# Altium PCB ESP32_Demo.PcbDoc (part 6 of 7)
Units mil, origin at the board's own origin, x right, y up, seen from the top; angles counter-clockwise.
Board outline 940.03 x 1085.03 mil, 4 copper layers (TOP1, GND02, MidLayer3, BOTTOM4); 39 components, 58 nets, 242 pads, 201 vias.
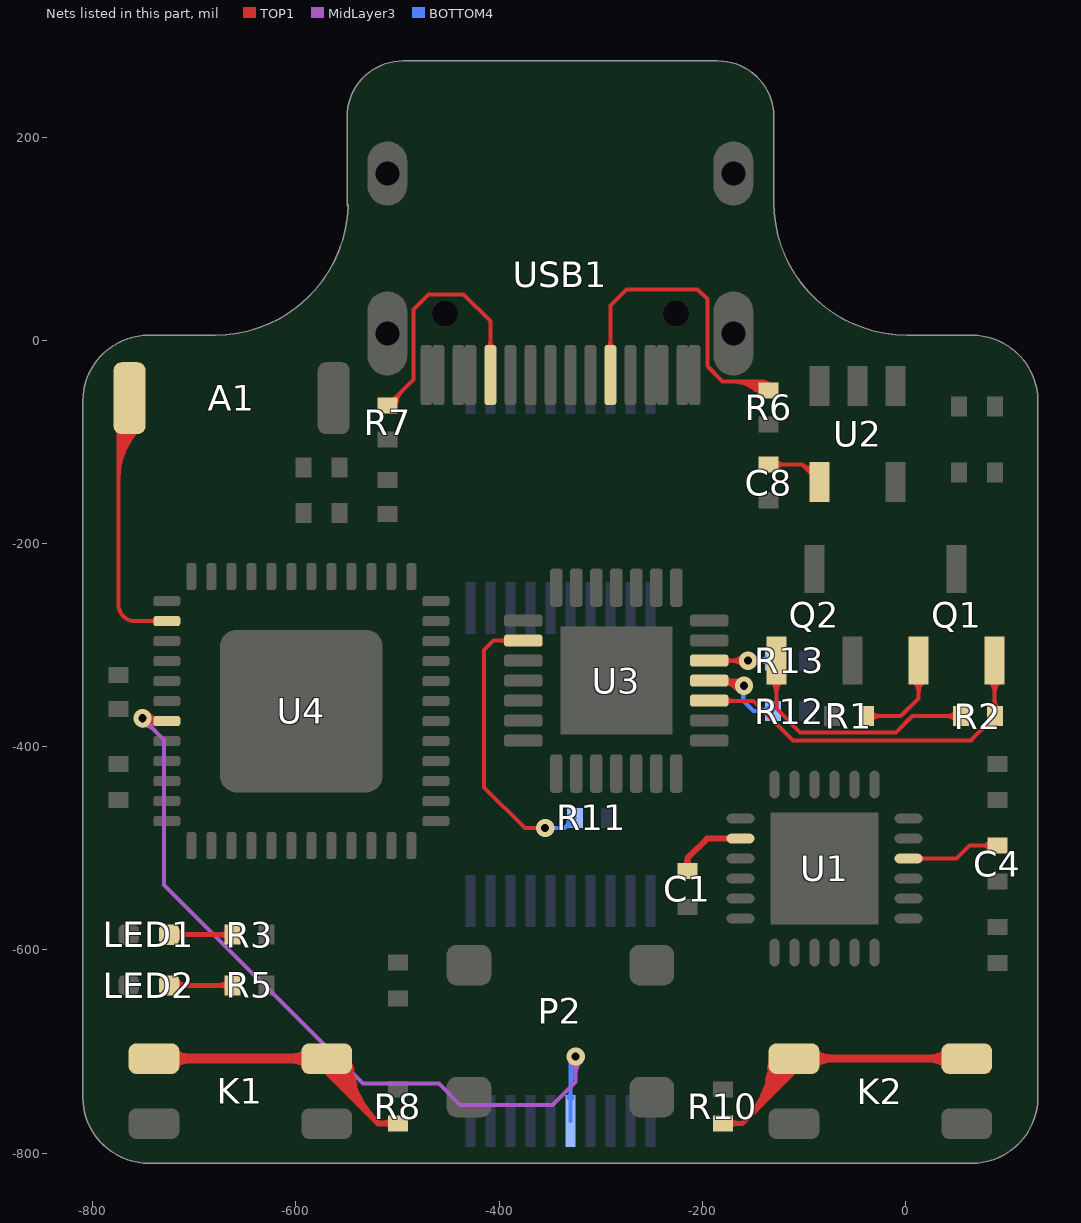
[diagram p8: the nets of this part, all layers, seen from the top]

## Via types
v1: diameter 18, hole 8, TOP1 to BOTTOM4, tented both sides, 201 vias

## Nets (pads, with @x,y where several pads share a name; then routed paths per layer and width w, separated by ;. In a path a pad name is that pad's centre, name@x,y a point inside that pad or via, vN(x,y) a via of type N, cw(c..) or ccw(c..) an arc to the next point about the centre after c; other vN are vias at no path point) (continued)
GPIO38: P2.5 U4.7 | length 1039.7
  TOP1 w4: v1(-751,-372) -748.16,-374.84 U4.7@-727.15,-374.84 ; v1@-748.88,-369.88 ccw(c-736.89,-357.89) U4.7@-736.89,-374.84 ; v1@-746.89,-377.67 cw(c-740.79,-386.07) -738.1,-376.04 cw(c-735.82,-367.51) v1@-744.29,-370.01 ; v1@-746.05,-376.95 cw(c-740.96,-382.04) -740.96,-374.84 ; v1@-746.05,-367.05 ccw(c-727.24,-348.24) U4.7@-727.24,-374.84 ; U4.7@-737.59,-376.91 ccw(c-742.57,-381.89) -742.57,-374.84 ccw(c-742.57,-367.79) U4.7@-737.59,-372.78
  MidLayer3 w4: v1@-751,-379 cw(c-751,-395.9) -739.05,-383.95 cw(c-727.1,-372) v1@-744,-372 ; v1(-751,-372) -729.77,-393.23 -729.77,-536.06 -534.15,-731.68 -459.41,-731.68 -438.41,-752.68 -347.45,-752.68 -324.77,-730 v1(-324.77,-705) ; v1@-329.72,-709.95 cw(c-341.67,-721.9) -324.77,-721.9 cw(c-307.87,-721.9) v1@-319.82,-709.95
  BOTTOM4 w4: P2.5@-329.93,-768.27 -329.93,-710.16 v1(-324.77,-705) ; -329.93,-734.35 cw(c-295.42,-734.35) v1@-319.82,-709.95 ; -329.93,-724.69 cw(c-305.08,-724.69) v1@-322.65,-707.12 ; -329.93,-715.04 cw(c-314.74,-715.04) v1@-325.48,-704.29 ; P2.5@-332,-745.53 ccw(c-336.98,-740.55) -329.93,-740.55 ; P2.5@-332,-745.53 ccw(c-336.98,-740.55) -329.93,-740.55 ; P2.5@-332,-745.53 ccw(c-336.98,-740.55) -329.93,-740.55 ; P2.5@-332,-745.53 ccw(c-336.98,-740.55) -329.93,-740.55 ; P2.5@-332,-745.53 ccw(c-336.98,-740.55) -329.93,-740.55 ; P2.5@-332,-745.53 ccw(c-336.98,-740.55) -329.93,-740.55 ; -329.93,-740.55 ccw(c-322.88,-740.55) P2.5@-327.86,-745.53 ; -329.93,-740.55 ccw(c-322.88,-740.55) P2.5@-327.86,-745.53 ; -329.93,-740.55 ccw(c-322.88,-740.55) P2.5@-327.86,-745.53 ; -329.93,-740.55 ccw(c-322.88,-740.55) P2.5@-327.86,-745.53 ; -329.93,-740.55 ccw(c-322.88,-740.55) P2.5@-327.86,-745.53 ; -329.93,-740.55 ccw(c-322.88,-740.55) P2.5@-327.86,-745.53
NetA1_1: A1.1 U4.2 | length 2591
  TOP1 w4: A1.1@-763.77,-57 ccw(c-763.77,-68) -774.77,-68 -774.77,-260 ccw(c-758.36,-260) -758.36,-276.42 U4.2@-727.15,-276.42 ; -774.77,-136.43 cw(c-704.03,-136.43) A1.1@-754.05,-86.41 ; -774.77,-136.43 cw(c-704.03,-136.43) A1.1@-754.05,-86.41 ; -774.77,-136.43 cw(c-704.03,-136.43) A1.1@-754.05,-86.41 ; -774.77,-136.43 cw(c-704.03,-136.43) A1.1@-754.05,-86.41 ; -774.77,-136.43 cw(c-704.03,-136.43) A1.1@-754.05,-86.41 ; -774.77,-136.43 cw(c-704.03,-136.43) A1.1@-754.05,-86.41 ; -774.77,-126.78 cw(c-713.68,-126.78) A1.1@-756.88,-83.58 ; -774.77,-126.78 cw(c-713.68,-126.78) A1.1@-756.88,-83.58 ; -774.77,-126.78 cw(c-713.68,-126.78) A1.1@-756.88,-83.58 ; -774.77,-126.78 cw(c-713.68,-126.78) A1.1@-756.88,-83.58 ; -774.77,-126.78 cw(c-713.68,-126.78) A1.1@-756.88,-83.58 ; -774.77,-126.78 cw(c-713.68,-126.78) A1.1@-756.88,-83.58 ; -774.77,-117.12 cw(c-723.34,-117.12) A1.1@-759.71,-80.75 ; -774.77,-117.12 cw(c-723.34,-117.12) A1.1@-759.71,-80.75 ; -774.77,-117.12 cw(c-723.34,-117.12) A1.1@-759.71,-80.75 ; -774.77,-117.12 cw(c-723.34,-117.12) A1.1@-759.71,-80.75 ; -774.77,-117.12 cw(c-723.34,-117.12) A1.1@-759.71,-80.75 ; -774.77,-117.12 cw(c-723.34,-117.12) A1.1@-759.71,-80.75 ; -774.77,-107.46 cw(c-733,-107.46) A1.1@-762.54,-77.92 ; -774.77,-107.46 cw(c-733,-107.46) A1.1@-762.54,-77.92 ; -774.77,-107.46 cw(c-733,-107.46) A1.1@-762.54,-77.92 ; -774.77,-107.46 cw(c-733,-107.46) A1.1@-762.54,-77.92 ; -774.77,-107.46 cw(c-733,-107.46) A1.1@-762.54,-77.92 ; -774.77,-107.46 cw(c-733,-107.46) A1.1@-762.54,-77.92 ; -774.77,-97.8 cw(c-742.65,-97.8) A1.1@-765.36,-75.09 ; -774.77,-97.8 cw(c-742.65,-97.8) A1.1@-765.36,-75.09 ; -774.77,-97.8 cw(c-742.65,-97.8) A1.1@-765.36,-75.09 ; -774.77,-97.8 cw(c-742.65,-97.8) A1.1@-765.36,-75.09 ; -774.77,-97.8 cw(c-742.65,-97.8) A1.1@-765.36,-75.09 ; -774.77,-97.8 cw(c-742.65,-97.8) A1.1@-765.36,-75.09 ; A1.1@-774.77,-88.15 cw(c-752.31,-88.15) A1.1@-768.19,-72.26 ; A1.1@-774.77,-88.15 cw(c-752.31,-88.15) A1.1@-768.19,-72.26 ; A1.1@-774.77,-88.15 cw(c-752.31,-88.15) A1.1@-768.19,-72.26 ; A1.1@-774.77,-88.15 cw(c-752.31,-88.15) A1.1@-768.19,-72.26 ; A1.1@-774.77,-88.15 cw(c-752.31,-88.15) A1.1@-768.19,-72.26 ; A1.1@-774.77,-88.15 cw(c-752.31,-88.15) A1.1@-768.19,-72.26 ; A1.1@-773.93,-85.95 cw(c-780.13,-91.61) -772.86,-95.8 ; A1.1@-773.93,-85.95 cw(c-780.13,-91.61) -772.86,-95.8 ; A1.1@-773.93,-85.95 cw(c-780.13,-91.61) -772.86,-95.8 ; A1.1@-773.93,-85.95 cw(c-780.13,-91.61) -772.86,-95.8 ; A1.1@-773.93,-85.95 cw(c-780.13,-91.61) -772.86,-95.8 ; A1.1@-773.93,-85.95 cw(c-780.13,-91.61) -772.86,-95.8 ; A1.1@-773.93,-85.95 cw(c-780.13,-91.61) -772.86,-95.8 ; A1.1@-773.93,-85.95 cw(c-780.13,-91.61) -772.86,-95.8 ; A1.1@-773.93,-85.95 cw(c-780.13,-91.61) -772.86,-95.8 ; A1.1@-773.93,-85.95 cw(c-780.13,-91.61) -772.86,-95.8 ; A1.1@-773.93,-85.95 cw(c-780.13,-91.61) -772.86,-95.8 ; A1.1@-773.93,-85.95 cw(c-780.13,-91.61) -772.86,-95.8 ; A1.1@-773.93,-85.95 cw(c-780.13,-91.61) -772.86,-95.8 ; A1.1@-773.93,-85.95 cw(c-780.13,-91.61) -772.86,-95.8 ; A1.1@-773.93,-85.95 cw(c-780.13,-91.61) -772.86,-95.8 ; A1.1@-773.39,-86.5 cw(c-781.75,-95.03) -771.41,-101.01 ; A1.1@-773.39,-86.5 cw(c-781.75,-95.03) -771.41,-101.01 ; A1.1@-773.39,-86.5 cw(c-781.75,-95.03) -771.41,-101.01 ; A1.1@-773.39,-86.5 cw(c-781.75,-95.03) -771.41,-101.01 ; A1.1@-773.39,-86.5 cw(c-781.75,-95.03) -771.41,-101.01 ; A1.1@-773.39,-86.5 cw(c-781.75,-95.03) -771.41,-101.01 ; A1.1@-773.39,-86.5 cw(c-781.75,-95.03) -771.41,-101.01 ; A1.1@-773.39,-86.5 cw(c-781.75,-95.03) -771.41,-101.01 ; A1.1@-773.39,-86.5 cw(c-781.75,-95.03) -771.41,-101.01 ; A1.1@-773.39,-86.5 cw(c-781.75,-95.03) -771.41,-101.01 ; A1.1@-773.39,-86.5 cw(c-781.75,-95.03) -771.41,-101.01 ; A1.1@-773.39,-86.5 cw(c-781.75,-95.03) -771.41,-101.01 ; A1.1@-773.39,-86.5 cw(c-781.75,-95.03) -771.41,-101.01 ; A1.1@-773.39,-86.5 cw(c-781.75,-95.03) -771.41,-101.01 ; A1.1@-773.39,-86.5 cw(c-781.75,-95.03) -771.41,-101.01 ; -772.86,-95.8 cw(c-763.56,-101.18) A1.1@-763.65,-90.43 ; -772.86,-95.8 cw(c-763.56,-101.18) A1.1@-763.65,-90.43 ; -772.86,-95.8 cw(c-763.56,-101.18) A1.1@-763.65,-90.43 ; -772.86,-95.8 cw(c-763.56,-101.18) A1.1@-763.65,-90.43 ; -772.86,-95.8 cw(c-763.56,-101.18) A1.1@-763.65,-90.43 ; -772.86,-95.8 cw(c-763.56,-101.18) A1.1@-763.65,-90.43 ; -772.86,-95.8 cw(c-763.56,-101.18) A1.1@-763.65,-90.43 ; -772.86,-95.8 cw(c-763.56,-101.18) A1.1@-763.65,-90.43 ; -772.86,-95.8 cw(c-763.56,-101.18) A1.1@-763.65,-90.43 ; -772.86,-95.8 cw(c-763.56,-101.18) A1.1@-763.65,-90.43 ; -772.86,-95.8 cw(c-763.56,-101.18) A1.1@-763.65,-90.43 ; -772.86,-95.8 cw(c-763.56,-101.18) A1.1@-763.65,-90.43 ; -772.86,-95.8 cw(c-763.56,-101.18) A1.1@-763.65,-90.43 ; -772.86,-95.8 cw(c-763.56,-101.18) A1.1@-763.65,-90.43 ; -772.86,-95.8 cw(c-763.56,-101.18) A1.1@-763.65,-90.43 ; A1.1@-770.59,-83.65 cw(c-778.03,-91.23) -768.83,-96.54 ; A1.1@-770.59,-83.65 cw(c-778.03,-91.23) -768.83,-96.54 ; A1.1@-770.59,-83.65 cw(c-778.03,-91.23) -768.83,-96.54 ; A1.1@-770.59,-83.65 cw(c-778.03,-91.23) -768.83,-96.54 ; A1.1@-770.59,-83.65 cw(c-778.03,-91.23) -768.83,-96.54 ; A1.1@-770.59,-83.65 cw(c-778.03,-91.23) -768.83,-96.54 ; A1.1@-770.59,-83.65 cw(c-778.03,-91.23) -768.83,-96.54 ; A1.1@-770.59,-83.65 cw(c-778.03,-91.23) -768.83,-96.54 ; A1.1@-770.59,-83.65 cw(c-778.03,-91.23) -768.83,-96.54 ; A1.1@-770.59,-83.65 cw(c-778.03,-91.23) -768.83,-96.54 ; A1.1@-770.59,-83.65 cw(c-778.03,-91.23) -768.83,-96.54 ; A1.1@-770.59,-83.65 cw(c-778.03,-91.23) -768.83,-96.54 ; A1.1@-770.59,-83.65 cw(c-778.03,-91.23) -768.83,-96.54 ; A1.1@-770.59,-83.65 cw(c-778.03,-91.23) -768.83,-96.54 ; A1.1@-770.59,-83.65 cw(c-778.03,-91.23) -768.83,-96.54 ; -768.86,-96.6 cw(c-756.54,-103.71) A1.1@-760.22,-89.97 ; -768.86,-96.6 cw(c-756.54,-103.71) A1.1@-760.22,-89.97 ; -768.86,-96.6 cw(c-756.54,-103.71) A1.1@-760.22,-89.97 ; -768.86,-96.6 cw(c-756.54,-103.71) A1.1@-760.22,-89.97 ; -768.86,-96.6 cw(c-756.54,-103.71) A1.1@-760.22,-89.97 ; -768.86,-96.6 cw(c-756.54,-103.71) A1.1@-760.22,-89.97 ; -768.86,-96.6 cw(c-756.54,-103.71) A1.1@-760.22,-89.97 ; -768.86,-96.6 cw(c-756.54,-103.71) A1.1@-760.22,-89.97 ; -768.86,-96.6 cw(c-756.54,-103.71) A1.1@-760.22,-89.97 ; -768.86,-96.6 cw(c-756.54,-103.71) A1.1@-760.22,-89.97 ; -768.86,-96.6 cw(c-756.54,-103.71) A1.1@-760.22,-89.97 ; -768.86,-96.6 cw(c-756.54,-103.71) A1.1@-760.22,-89.97 ; -768.86,-96.6 cw(c-756.54,-103.71) A1.1@-760.22,-89.97 ; -768.86,-96.6 cw(c-756.54,-103.71) A1.1@-760.22,-89.97 ; -768.86,-96.6 cw(c-756.54,-103.71) A1.1@-760.22,-89.97 ; -742.57,-276.42 cw(c-742.57,-283.47) U4.2@-737.59,-278.48 ; -742.57,-276.42 ccw(c-742.57,-269.36) U4.2@-737.59,-274.35 ; -742.57,-276.42 cw(c-742.57,-283.47) U4.2@-737.59,-278.48 ; -742.57,-276.42 ccw(c-742.57,-269.36) U4.2@-737.59,-274.35 ; -742.57,-276.42 cw(c-742.57,-283.47) U4.2@-737.59,-278.48 ; -742.57,-276.42 ccw(c-742.57,-269.36) U4.2@-737.59,-274.35 ; -742.57,-276.42 cw(c-742.57,-283.47) U4.2@-737.59,-278.48 ; -742.57,-276.42 ccw(c-742.57,-269.36) U4.2@-737.59,-274.35 ; -742.57,-276.42 cw(c-742.57,-283.47) U4.2@-737.59,-278.48 ; -742.57,-276.42 ccw(c-742.57,-269.36) U4.2@-737.59,-274.35 ; -742.57,-276.42 ccw(c-742.57,-269.36) U4.2@-737.59,-274.35 ; -742.57,-276.42 cw(c-742.57,-283.47) U4.2@-737.59,-278.48
NetC1_2: C1.2 U1.20 | length 183.6
  TOP1 w6: C1.2@-214.77,-522.29 -214.77,-510 -195.24,-490.47 U1.20@-162.45,-490.47 ; C1.2@-218.22,-518.84 ccw(c-226.54,-510.52) -214.77,-510.52 ; C1.2@-218.22,-518.84 ccw(c-226.54,-510.52) -214.77,-510.52 ; C1.2@-218.22,-518.84 ccw(c-226.54,-510.52) -214.77,-510.52 ; C1.2@-218.22,-518.84 ccw(c-226.54,-510.52) -214.77,-510.52 ; C1.2@-218.22,-518.84 ccw(c-226.54,-510.52) -214.77,-510.52 ; C1.2@-218.22,-518.84 ccw(c-226.54,-510.52) -214.77,-510.52 ; -214.77,-510.52 ccw(c-203,-510.52) C1.2@-211.32,-518.84 ; -214.77,-510.52 ccw(c-203,-510.52) C1.2@-211.32,-518.84 ; -214.77,-510.52 ccw(c-203,-510.52) C1.2@-211.32,-518.84 ; -214.77,-510.52 ccw(c-203,-510.52) C1.2@-211.32,-518.84 ; -214.77,-510.52 ccw(c-203,-510.52) C1.2@-211.32,-518.84 ; -214.77,-510.52 ccw(c-203,-510.52) C1.2@-211.32,-518.84
NetC4_1: C4.1 U1.10 | length 292.8
  TOP1 w4: U1.10@2.9,-510.16 50.07,-510.16 62.94,-497.28 C4.1@90.23,-497.28 ; U1.10@13.83,-512.22 cw(c18.82,-517.21) 18.82,-510.16 ; U1.10@13.83,-512.22 cw(c18.82,-517.21) 18.82,-510.16 ; U1.10@13.83,-512.22 cw(c18.82,-517.21) 18.82,-510.16 ; U1.10@13.83,-512.22 cw(c18.82,-517.21) 18.82,-510.16 ; U1.10@13.83,-512.22 cw(c18.82,-517.21) 18.82,-510.16 ; U1.10@13.83,-512.22 cw(c18.82,-517.21) 18.82,-510.16 ; U1.10@13.83,-508.09 ccw(c18.82,-503.11) 18.82,-510.16 ; U1.10@13.83,-508.09 ccw(c18.82,-503.11) 18.82,-510.16 ; U1.10@13.83,-508.09 ccw(c18.82,-503.11) 18.82,-510.16 ; U1.10@13.83,-508.09 ccw(c18.82,-503.11) 18.82,-510.16 ; U1.10@13.83,-508.09 ccw(c18.82,-503.11) 18.82,-510.16 ; U1.10@13.83,-508.09 ccw(c18.82,-503.11) 18.82,-510.16 ; 74.08,-497.28 cw(c74.08,-511.46) C4.1@84.11,-501.44 ; 74.08,-497.28 ccw(c74.08,-483.1) C4.1@84.11,-493.13 ; 74.08,-497.28 cw(c74.08,-511.46) C4.1@84.11,-501.44 ; 74.08,-497.28 ccw(c74.08,-483.1) C4.1@84.11,-493.13 ; 74.08,-497.28 cw(c74.08,-511.46) C4.1@84.11,-501.44 ; 74.08,-497.28 ccw(c74.08,-483.1) C4.1@84.11,-493.13 ; 74.08,-497.28 cw(c74.08,-511.46) C4.1@84.11,-501.44 ; 74.08,-497.28 ccw(c74.08,-483.1) C4.1@84.11,-493.13 ; 74.08,-497.28 cw(c74.08,-511.46) C4.1@84.11,-501.44 ; 74.08,-497.28 ccw(c74.08,-483.1) C4.1@84.11,-493.13 ; 74.08,-497.28 ccw(c74.08,-483.1) C4.1@84.11,-493.13 ; 74.08,-497.28 cw(c74.08,-511.46) C4.1@84.11,-501.44
NetC8_1: C8.1 U2.4 | length 419.6
  TOP1 w4: C8.1@-134.77,-122.28 -101.78,-122.28 ; U2.4@-84.58,-139.49 -101.78,-122.28 ; C8.1@-128.65,-126.44 cw(c-118.62,-136.46) -118.62,-122.28 ; C8.1@-128.65,-126.44 cw(c-118.62,-136.46) -118.62,-122.28 ; C8.1@-128.65,-126.44 cw(c-118.62,-136.46) -118.62,-122.28 ; C8.1@-128.65,-126.44 cw(c-118.62,-136.46) -118.62,-122.28 ; C8.1@-128.65,-126.44 cw(c-118.62,-136.46) -118.62,-122.28 ; C8.1@-128.65,-126.44 cw(c-118.62,-136.46) -118.62,-122.28 ; C8.1@-128.65,-118.13 ccw(c-118.62,-108.1) -118.62,-122.28 ; C8.1@-128.65,-118.13 ccw(c-118.62,-108.1) -118.62,-122.28 ; C8.1@-128.65,-118.13 ccw(c-118.62,-108.1) -118.62,-122.28 ; C8.1@-128.65,-118.13 ccw(c-118.62,-108.1) -118.62,-122.28 ; C8.1@-128.65,-118.13 ccw(c-118.62,-108.1) -118.62,-122.28 ; C8.1@-128.65,-118.13 ccw(c-118.62,-108.1) -118.62,-122.28 ; -101.78,-122.28 ccw(c-94.88,-115.39) U2.4@-89.17,-123.29 ; -101.78,-122.28 ccw(c-94.88,-115.39) U2.4@-89.17,-123.29 ; -101.78,-122.28 ccw(c-94.88,-115.39) U2.4@-89.17,-123.29 ; -101.78,-122.28 ccw(c-94.88,-115.39) U2.4@-89.17,-123.29 ; -101.78,-122.28 ccw(c-94.88,-115.39) U2.4@-89.17,-123.29 ; -101.78,-122.28 ccw(c-94.88,-115.39) U2.4@-89.17,-123.29 ; -98.46,-125.6 ccw(c-92.1,-119.24) U2.4@-86.83,-126.53 ; -98.46,-125.6 ccw(c-92.1,-119.24) U2.4@-86.83,-126.53 ; -98.46,-125.6 ccw(c-92.1,-119.24) U2.4@-86.83,-126.53 ; -98.46,-125.6 ccw(c-92.1,-119.24) U2.4@-86.83,-126.53 ; -98.46,-125.6 ccw(c-92.1,-119.24) U2.4@-86.83,-126.53 ; -98.46,-125.6 ccw(c-92.1,-119.24) U2.4@-86.83,-126.53 ; -95.14,-128.92 ccw(c-89.31,-123.09) U2.4@-84.48,-129.77 ; -95.14,-128.92 ccw(c-89.31,-123.09) U2.4@-84.48,-129.77 ; -95.14,-128.92 ccw(c-89.31,-123.09) U2.4@-84.48,-129.77 ; -95.14,-128.92 ccw(c-89.31,-123.09) U2.4@-84.48,-129.77 ; -95.14,-128.92 ccw(c-89.31,-123.09) U2.4@-84.48,-129.77 ; -95.14,-128.92 ccw(c-89.31,-123.09) U2.4@-84.48,-129.77
NetK1_2: K1.2 K1.4 R8.1 | length 4979.3
  TOP1 w6: K1.2@-569.77,-707 -569.77,-720 -519.02,-770.75 R8.1@-499.77,-770.75 ; K1.2@-571.77,-707 ccw(c-545.22,-707) -563.99,-725.78 ; K1.2@-571.77,-707 ccw(c-545.22,-707) -563.99,-725.78 ; K1.2@-571.77,-707 ccw(c-545.22,-707) -563.99,-725.78 ; K1.2@-571.77,-707 ccw(c-545.22,-707) -563.99,-725.78 ; K1.2@-571.77,-707 ccw(c-545.22,-707) -563.99,-725.78 ; K1.2@-571.77,-707 ccw(c-545.22,-707) -563.99,-725.78 ; K1.2@-565.77,-707 ccw(c-524.73,-707) -553.75,-736.02 ; K1.2@-565.77,-707 ccw(c-524.73,-707) -553.75,-736.02 ; K1.2@-565.77,-707 ccw(c-524.73,-707) -553.75,-736.02 ; K1.2@-565.77,-707 ccw(c-524.73,-707) -553.75,-736.02 ; K1.2@-565.77,-707 ccw(c-524.73,-707) -553.75,-736.02 ; K1.2@-565.77,-707 ccw(c-524.73,-707) -553.75,-736.02 ; K1.2@-565.71,-717.43 cw(c-579.78,-742.12) -552.33,-734.76 ; K1.2@-565.71,-717.43 cw(c-579.78,-742.12) -552.33,-734.76 ; K1.2@-565.71,-717.43 cw(c-579.78,-742.12) -552.33,-734.76 ; K1.2@-565.71,-717.43 cw(c-579.78,-742.12) -552.33,-734.76 ; K1.2@-565.71,-717.43 cw(c-579.78,-742.12) -552.33,-734.76 ; K1.2@-565.71,-717.43 cw(c-579.78,-742.12) -552.33,-734.76 ; K1.2@-565.71,-717.43 cw(c-579.78,-742.12) -552.33,-734.76 ; K1.2@-565.71,-717.43 cw(c-579.78,-742.12) -552.33,-734.76 ; K1.2@-565.71,-717.43 cw(c-579.78,-742.12) -552.33,-734.76 ; K1.2@-565.71,-717.43 cw(c-579.78,-742.12) -552.33,-734.76 ; K1.2@-565.71,-717.43 cw(c-579.78,-742.12) -552.33,-734.76 ; K1.2@-565.71,-717.43 cw(c-579.78,-742.12) -552.33,-734.76 ; K1.2@-565.71,-717.43 cw(c-579.78,-742.12) -552.33,-734.76 ; K1.2@-565.71,-717.43 cw(c-579.78,-742.12) -552.33,-734.76 ; K1.2@-565.71,-717.43 cw(c-579.78,-742.12) -552.33,-734.76 ; K1.2@-562.89,-712.12 cw(c-580.78,-741.5) -547.36,-733.37 ; K1.2@-562.89,-712.12 cw(c-580.78,-741.5) -547.36,-733.37 ; K1.2@-562.89,-712.12 cw(c-580.78,-741.5) -547.36,-733.37 ; K1.2@-562.89,-712.12 cw(c-580.78,-741.5) -547.36,-733.37 ; K1.2@-562.89,-712.12 cw(c-580.78,-741.5) -547.36,-733.37 ; K1.2@-562.89,-712.12 cw(c-580.78,-741.5) -547.36,-733.37 ; K1.2@-562.89,-712.12 cw(c-580.78,-741.5) -547.36,-733.37 ; K1.2@-562.89,-712.12 cw(c-580.78,-741.5) -547.36,-733.37 ; K1.2@-562.89,-712.12 cw(c-580.78,-741.5) -547.36,-733.37 ; K1.2@-562.89,-712.12 cw(c-580.78,-741.5) -547.36,-733.37 ; K1.2@-562.89,-712.12 cw(c-580.78,-741.5) -547.36,-733.37 ; K1.2@-562.89,-712.12 cw(c-580.78,-741.5) -547.36,-733.37 ; K1.2@-562.89,-712.12 cw(c-580.78,-741.5) -547.36,-733.37 ; K1.2@-562.89,-712.12 cw(c-580.78,-741.5) -547.36,-733.37 ; K1.2@-562.89,-712.12 cw(c-580.78,-741.5) -547.36,-733.37 ; K1.2@-560.05,-719 cw(c-560.26,-728.18) K1.2@-553.62,-721.84 ; K1.2@-560.05,-719 cw(c-560.26,-728.18) K1.2@-553.62,-721.84 ; K1.2@-560.05,-719 cw(c-560.26,-728.18) K1.2@-553.62,-721.84 ; K1.2@-560.05,-719 cw(c-560.26,-728.18) K1.2@-553.62,-721.84 ; K1.2@-560.05,-719 cw(c-560.26,-728.18) K1.2@-553.62,-721.84 ; K1.2@-560.05,-719 cw(c-560.26,-728.18) K1.2@-553.62,-721.84 ; K1.2@-560.05,-719 cw(c-560.26,-728.18) K1.2@-553.62,-721.84 ; K1.2@-560.05,-719 cw(c-560.26,-728.18) K1.2@-553.62,-721.84 ; K1.2@-560.05,-719 cw(c-560.26,-728.18) K1.2@-553.62,-721.84 ; K1.2@-560.05,-719 cw(c-560.26,-728.18) K1.2@-553.62,-721.84 ; K1.2@-560.05,-719 cw(c-560.26,-728.18) K1.2@-553.62,-721.84 ; K1.2@-560.05,-719 cw(c-560.26,-728.18) K1.2@-553.62,-721.84 ; K1.2@-560.05,-719 cw(c-560.26,-728.18) K1.2@-553.62,-721.84 ; K1.2@-560.05,-719 cw(c-560.26,-728.18) K1.2@-553.62,-721.84 ; K1.2@-560.05,-719 cw(c-560.26,-728.18) K1.2@-553.62,-721.84 ; K1.2@-560.05,-719 cw(c-560.26,-728.18) K1.2@-553.62,-721.84 ; K1.2@-560.05,-719 cw(c-560.26,-728.18) K1.2@-553.62,-721.84 ; K1.2@-560.05,-719 cw(c-560.26,-728.18) K1.2@-553.62,-721.84 ; K1.2@-560.05,-719 cw(c-560.26,-728.18) K1.2@-553.62,-721.84 ; K1.2@-560.05,-719 cw(c-560.26,-728.18) K1.2@-553.62,-721.84 ; K1.2@-559.77,-707 cw(c-582.08,-740.42) -542.67,-732.56 ; K1.2@-559.77,-707 cw(c-582.08,-740.42) -542.67,-732.56 ; K1.2@-559.77,-707 ccw(c-504.25,-707) -543.51,-746.26 ; K1.2@-559.77,-707 cw(c-582.08,-740.42) -542.67,-732.56 ; K1.2@-559.77,-707 cw(c-582.08,-740.42) -542.67,-732.56 ; K1.2@-559.77,-707 cw(c-582.08,-740.42) -542.67,-732.56 ; K1.2@-559.77,-707 cw(c-570.12,-724) K1.2@-550.78,-719.3 ; K1.2@-559.77,-707 cw(c-570.12,-724) K1.2@-550.78,-719.3 ; K1.2@-559.77,-707 cw(c-570.12,-724) K1.2@-550.78,-719.3 ; K1.2@-559.77,-707 cw(c-570.12,-724) K1.2@-550.78,-719.3 ; K1.2@-559.77,-707 cw(c-570.12,-724) K1.2@-550.78,-719.3 ; K1.2@-559.77,-707 cw(c-582.08,-740.42) -542.67,-732.56 ; K1.2@-559.77,-707 ccw(c-504.25,-707) -543.51,-746.26 ; K1.2@-559.77,-707 cw(c-582.08,-740.42) -542.67,-732.56 ; K1.2@-559.77,-707 cw(c-582.08,-740.42) -542.67,-732.56 ; K1.2@-559.77,-707 cw(c-582.08,-740.42) -542.67,-732.56 ; K1.2@-559.77,-707 cw(c-570.12,-724) K1.2@-550.78,-719.3 ; K1.2@-559.77,-707 cw(c-570.12,-724) K1.2@-550.78,-719.3 ; K1.2@-559.77,-707 cw(c-570.12,-724) K1.2@-550.78,-719.3 ; K1.2@-559.77,-707 cw(c-570.12,-724) K1.2@-550.78,-719.3 ; K1.2@-559.77,-707 ccw(c-504.25,-707) -543.51,-746.26 ; K1.2@-559.77,-707 cw(c-582.08,-740.42) -542.67,-732.56 ; K1.2@-559.77,-707 cw(c-582.08,-740.42) -542.67,-732.56 ; K1.2@-559.77,-707 cw(c-582.08,-740.42) -542.67,-732.56 ; K1.2@-559.77,-707 cw(c-570.12,-724) K1.2@-550.78,-719.3 ; K1.2@-559.77,-707 cw(c-570.12,-724) K1.2@-550.78,-719.3 ; K1.2@-559.77,-707 cw(c-570.12,-724) K1.2@-550.78,-719.3 ; K1.2@-559.77,-707 ccw(c-504.25,-707) -543.51,-746.26 ; K1.2@-559.77,-707 cw(c-582.08,-740.42) -542.67,-732.56 ; K1.2@-559.77,-707 cw(c-582.08,-740.42) -542.67,-732.56 ; K1.2@-559.77,-707 cw(c-570.12,-724) K1.2@-550.78,-719.3 ; K1.2@-559.77,-707 cw(c-570.12,-724) K1.2@-550.78,-719.3 ; K1.2@-559.77,-707 ccw(c-504.25,-707) -543.51,-746.26 ; K1.2@-559.77,-707 cw(c-582.08,-740.42) -542.67,-732.56 ; K1.2@-559.77,-707 cw(c-570.12,-724) K1.2@-550.78,-719.3 ; K1.2@-559.77,-707 ccw(c-504.25,-707) -543.51,-746.26 ; K1.2@-557.43,-718.77 cw(c-555.09,-730.56) -546.05,-722.63 ; K1.2@-557.43,-718.77 cw(c-555.09,-730.56) -546.05,-722.63 ; K1.2@-557.43,-718.77 cw(c-555.09,-730.56) -546.05,-722.63 ; K1.2@-557.43,-718.77 cw(c-555.09,-730.56) -546.05,-722.63 ; K1.2@-557.43,-718.77 cw(c-555.09,-730.56) -546.05,-722.63 ; K1.2@-557.43,-718.77 cw(c-555.09,-730.56) -546.05,-722.63 ; K1.2@-557.43,-718.77 cw(c-555.09,-730.56) -546.05,-722.63 ; K1.2@-557.43,-718.77 cw(c-555.09,-730.56) -546.05,-722.63 ; K1.2@-557.43,-718.77 cw(c-555.09,-730.56) -546.05,-722.63 ; K1.2@-557.43,-718.77 cw(c-555.09,-730.56) -546.05,-722.63 ; K1.2@-557.43,-718.77 cw(c-555.09,-730.56) -546.05,-722.63 ; K1.2@-557.43,-718.77 cw(c-555.09,-730.56) -546.05,-722.63 ; K1.2@-557.43,-718.77 cw(c-555.09,-730.56) -546.05,-722.63 ; K1.2@-557.43,-718.77 cw(c-555.09,-730.56) -546.05,-722.63 ; K1.2@-557.43,-718.77 cw(c-555.09,-730.56) -546.05,-722.63 ; K1.2@-557.43,-718.77 cw(c-555.09,-730.56) -546.05,-722.63 ; K1.2@-557.43,-718.77 cw(c-555.09,-730.56) -546.05,-722.63 ; K1.2@-557.43,-718.77 cw(c-555.09,-730.56) -546.05,-722.63 ; K1.2@-557.43,-718.77 cw(c-555.09,-730.56) -546.05,-722.63 ; K1.2@-557.43,-718.77 cw(c-555.09,-730.56) -546.05,-722.63 ; K1.2@-556.44,-702.01 cw(c-570.7,-723.38) -545.51,-718.35 ; K1.2@-556.44,-702.01 cw(c-570.7,-723.38) -545.51,-718.35 ; K1.2@-556.44,-702.01 cw(c-570.7,-723.38) -545.51,-718.35 ; K1.2@-556.44,-702.01 cw(c-570.7,-723.38) -545.51,-718.35 ; K1.2@-556.44,-702.01 cw(c-570.7,-723.38) -545.51,-718.35 ; K1.2@-556.44,-702.01 cw(c-570.7,-723.38) -545.51,-718.35 ; K1.2@-556.44,-702.01 cw(c-570.7,-723.38) -545.51,-718.35 ; K1.2@-556.44,-702.01 cw(c-570.7,-723.38) -545.51,-718.35 ; K1.2@-556.44,-702.01 cw(c-570.7,-723.38) -545.51,-718.35 ; K1.2@-556.44,-702.01 cw(c-570.7,-723.38) -545.51,-718.35 ; K1.2@-556.44,-702.01 cw(c-570.7,-723.38) -545.51,-718.35 ; K1.2@-556.44,-702.01 cw(c-570.7,-723.38) -545.51,-718.35 ; K1.2@-556.44,-702.01 cw(c-570.7,-723.38) -545.51,-718.35 ; K1.2@-556.44,-702.01 cw(c-570.7,-723.38) -545.51,-718.35 ; K1.2@-556.44,-702.01 cw(c-570.7,-723.38) -545.51,-718.35 ; K1.2@-553.77,-707 ccw(c-483.76,-707) -533.27,-756.51 ; K1.2@-553.77,-707 ccw(c-483.76,-707) -533.27,-756.51 ; K1.2@-553.77,-707 ccw(c-483.76,-707) -533.27,-756.51 ; K1.2@-553.77,-707 ccw(c-483.76,-707) -533.27,-756.51 ; K1.2@-553.77,-707 ccw(c-483.76,-707) -533.27,-756.51 ; K1.2@-553.77,-707 ccw(c-483.76,-707) -533.27,-756.51 ; -552.33,-734.76 cw(c-524.88,-727.41) K1.2@-549.41,-713.06 ; -552.33,-734.76 cw(c-524.88,-727.41) K1.2@-549.41,-713.06 ; -552.33,-734.76 cw(c-524.88,-727.41) K1.2@-549.41,-713.06 ; -552.33,-734.76 cw(c-524.88,-727.41) K1.2@-549.41,-713.06 ; -552.33,-734.76 cw(c-524.88,-727.41) K1.2@-549.41,-713.06 ; -552.33,-734.76 cw(c-524.88,-727.41) K1.2@-549.41,-713.06 ; -552.33,-734.76 cw(c-524.88,-727.41) K1.2@-549.41,-713.06 ; -552.33,-734.76 cw(c-524.88,-727.41) K1.2@-549.41,-713.06 ; -552.33,-734.76 cw(c-524.88,-727.41) K1.2@-549.41,-713.06 ; -552.33,-734.76 cw(c-524.88,-727.41) K1.2@-549.41,-713.06 ; -552.33,-734.76 cw(c-524.88,-727.41) K1.2@-549.41,-713.06 ; -552.33,-734.76 cw(c-524.88,-727.41) K1.2@-549.41,-713.06 ; -552.33,-734.76 cw(c-524.88,-727.41) K1.2@-549.41,-713.06 ; -552.33,-734.76 cw(c-524.88,-727.41) K1.2@-549.41,-713.06 ; -552.33,-734.76 cw(c-524.88,-727.41) K1.2@-549.41,-713.06 ; K1.2@-550.9,-715.08 ccw(c-545.63,-719.88) -550.79,-724.81 ; K1.2@-550.9,-715.08 ccw(c-545.63,-719.88) -550.79,-724.81 ; K1.2@-550.9,-715.08 ccw(c-545.63,-719.88) -550.79,-724.81 ; K1.2@-550.9,-715.08 ccw(c-545.63,-719.88) -550.79,-724.81 ; K1.2@-550.9,-715.08 ccw(c-545.63,-719.88) -550.79,-724.81 ; K1.2@-550.9,-715.08 ccw(c-545.63,-719.88) -550.79,-724.81 ; K1.2@-550.9,-715.08 ccw(c-545.63,-719.88) -550.79,-724.81 ; K1.2@-550.9,-715.08 ccw(c-545.63,-719.88) -550.79,-724.81 ; K1.2@-550.9,-715.08 ccw(c-545.63,-719.88) -550.79,-724.81 ; K1.2@-550.9,-715.08 ccw(c-545.63,-719.88) -550.79,-724.81 ; K1.2@-550.9,-715.08 ccw(c-545.63,-719.88) -550.79,-724.81 ; K1.2@-550.9,-715.08 ccw(c-545.63,-719.88) -550.79,-724.81 ; K1.2@-550.9,-715.08 ccw(c-545.63,-719.88) -550.79,-724.81 ; K1.2@-550.9,-715.08 ccw(c-545.63,-719.88) -550.79,-724.81 ; K1.2@-550.9,-715.08 ccw(c-545.63,-719.88) -550.79,-724.81 ; K1.2@-550.9,-715.08 ccw(c-545.63,-719.88) -550.79,-724.81 ; K1.2@-550.9,-715.08 ccw(c-545.63,-719.88) -550.79,-724.81 ; K1.2@-550.9,-715.08 ccw(c-545.63,-719.88) -550.79,-724.81 ; K1.2@-550.9,-715.08 ccw(c-545.63,-719.88) -550.79,-724.81 ; K1.2@-550.9,-715.08 ccw(c-545.63,-719.88) -550.79,-724.81 ; K1.2@-550.59,-720.1 cw(c-541.78,-717.95) K1.2@-549.52,-713.24 ; K1.2@-550.59,-720.1 cw(c-541.78,-717.95) K1.2@-549.52,-713.24 ; K1.2@-550.59,-720.1 cw(c-541.78,-717.95) K1.2@-549.52,-713.24 ; K1.2@-550.59,-720.1 cw(c-541.78,-717.95) K1.2@-549.52,-713.24 ; K1.2@-550.59,-720.1 cw(c-541.78,-717.95) K1.2@-549.52,-713.24 ; K1.2@-550.59,-720.1 cw(c-541.78,-717.95) K1.2@-549.52,-713.24 ; K1.2@-550.59,-720.1 cw(c-541.78,-717.95) K1.2@-549.52,-713.24 ; K1.2@-550.59,-720.1 cw(c-541.78,-717.95) K1.2@-549.52,-713.24 ; K1.2@-550.59,-720.1 cw(c-541.78,-717.95) K1.2@-549.52,-713.24 ; K1.2@-550.59,-720.1 cw(c-541.78,-717.95) K1.2@-549.52,-713.24 ; K1.2@-550.59,-720.1 cw(c-541.78,-717.95) K1.2@-549.52,-713.24 ; K1.2@-550.59,-720.1 cw(c-541.78,-717.95) K1.2@-549.52,-713.24 ; K1.2@-550.59,-720.1 cw(c-541.78,-717.95) K1.2@-549.52,-713.24 ; K1.2@-550.59,-720.1 cw(c-541.78,-717.95) K1.2@-549.52,-713.24 ; K1.2@-550.59,-720.1 cw(c-541.78,-717.95) K1.2@-549.52,-713.24 ; K1.2@-548.41,-710.85 ccw(c-537.02,-714.7) -546.05,-722.63 ; K1.2@-548.41,-710.85 ccw(c-537.02,-714.7) -546.05,-722.63 ; K1.2@-548.41,-710.85 ccw(c-537.02,-714.7) -546.05,-722.63 ; K1.2@-548.41,-710.85 ccw(c-537.02,-714.7) -546.05,-722.63 ; K1.2@-548.41,-710.85 ccw(c-537.02,-714.7) -546.05,-722.63 ; K1.2@-548.41,-710.85 ccw(c-537.02,-714.7) -546.05,-722.63 ; K1.2@-548.41,-710.85 ccw(c-537.02,-714.7) -546.05,-722.63 ; K1.2@-548.41,-710.85 ccw(c-537.02,-714.7) -546.05,-722.63 ; K1.2@-548.41,-710.85 ccw(c-537.02,-714.7) -546.05,-722.63 ; K1.2@-548.41,-710.85 ccw(c-537.02,-714.7) -546.05,-722.63 ; K1.2@-548.41,-710.85 ccw(c-537.02,-714.7) -546.05,-722.63 ; K1.2@-548.41,-710.85 ccw(c-537.02,-714.7) -546.05,-722.63 ; K1.2@-548.41,-710.85 ccw(c-537.02,-714.7) -546.05,-722.63 ; K1.2@-548.41,-710.85 ccw(c-537.02,-714.7) -546.05,-722.63 ; K1.2@-548.41,-710.85 ccw(c-537.02,-714.7) -546.05,-722.63 ; K1.2@-548.41,-710.85 ccw(c-537.02,-714.7) -546.05,-722.63 ; K1.2@-548.41,-710.85 ccw(c-537.02,-714.7) -546.05,-722.63 ; K1.2@-548.41,-710.85 ccw(c-537.02,-714.7) -546.05,-722.63 ; K1.2@-548.41,-710.85 ccw(c-537.02,-714.7) -546.05,-722.63 ; K1.2@-548.41,-710.85 ccw(c-537.02,-714.7) -546.05,-722.63 ; K1.2@-547.77,-707 ccw(c-463.27,-707) -523.02,-766.75 ; K1.2@-547.77,-707 ccw(c-463.27,-707) -523.02,-766.75 ; K1.2@-547.77,-707 ccw(c-463.27,-707) -523.02,-766.75 ; K1.2@-547.77,-707 ccw(c-463.27,-707) -523.02,-766.75 ; K1.2@-547.77,-707 ccw(c-463.27,-707) -523.02,-766.75 ; K1.2@-547.77,-707 ccw(c-463.27,-707) -523.02,-766.75 ; -513.5,-770.75 cw(c-513.5,-782.52) R8.1@-505.18,-774.2 ; -513.5,-770.75 ccw(c-513.5,-758.98) R8.1@-505.18,-767.3 ; -513.5,-770.75 cw(c-513.5,-782.52) R8.1@-505.18,-774.2 ; -513.5,-770.75 ccw(c-513.5,-758.98) R8.1@-505.18,-767.3 ; -513.5,-770.75 cw(c-513.5,-782.52) R8.1@-505.18,-774.2 ; -513.5,-770.75 ccw(c-513.5,-758.98) R8.1@-505.18,-767.3 ; -513.5,-770.75 cw(c-513.5,-782.52) R8.1@-505.18,-774.2 ; -513.5,-770.75 ccw(c-513.5,-758.98) R8.1@-505.18,-767.3 ; -513.5,-770.75 cw(c-513.5,-782.52) R8.1@-505.18,-774.2 ; -513.5,-770.75 ccw(c-513.5,-758.98) R8.1@-505.18,-767.3 ; -513.5,-770.75 ccw(c-513.5,-758.98) R8.1@-505.18,-767.3 ; -513.5,-770.75 cw(c-513.5,-782.52) R8.1@-505.18,-774.2